# Altium PCB mainboard.PcbDoc (part 4 of 7)
Units mm, origin at the board's own origin, x right, y up, seen from the top; angles counter-clockwise.
Board outline 298.75 x 332.5 mm, 4 copper layers (Top, Ground, Power, Bottom), stack 0.844 mm thick; 349 components, 403 nets, 3466 pads, 640 vias.
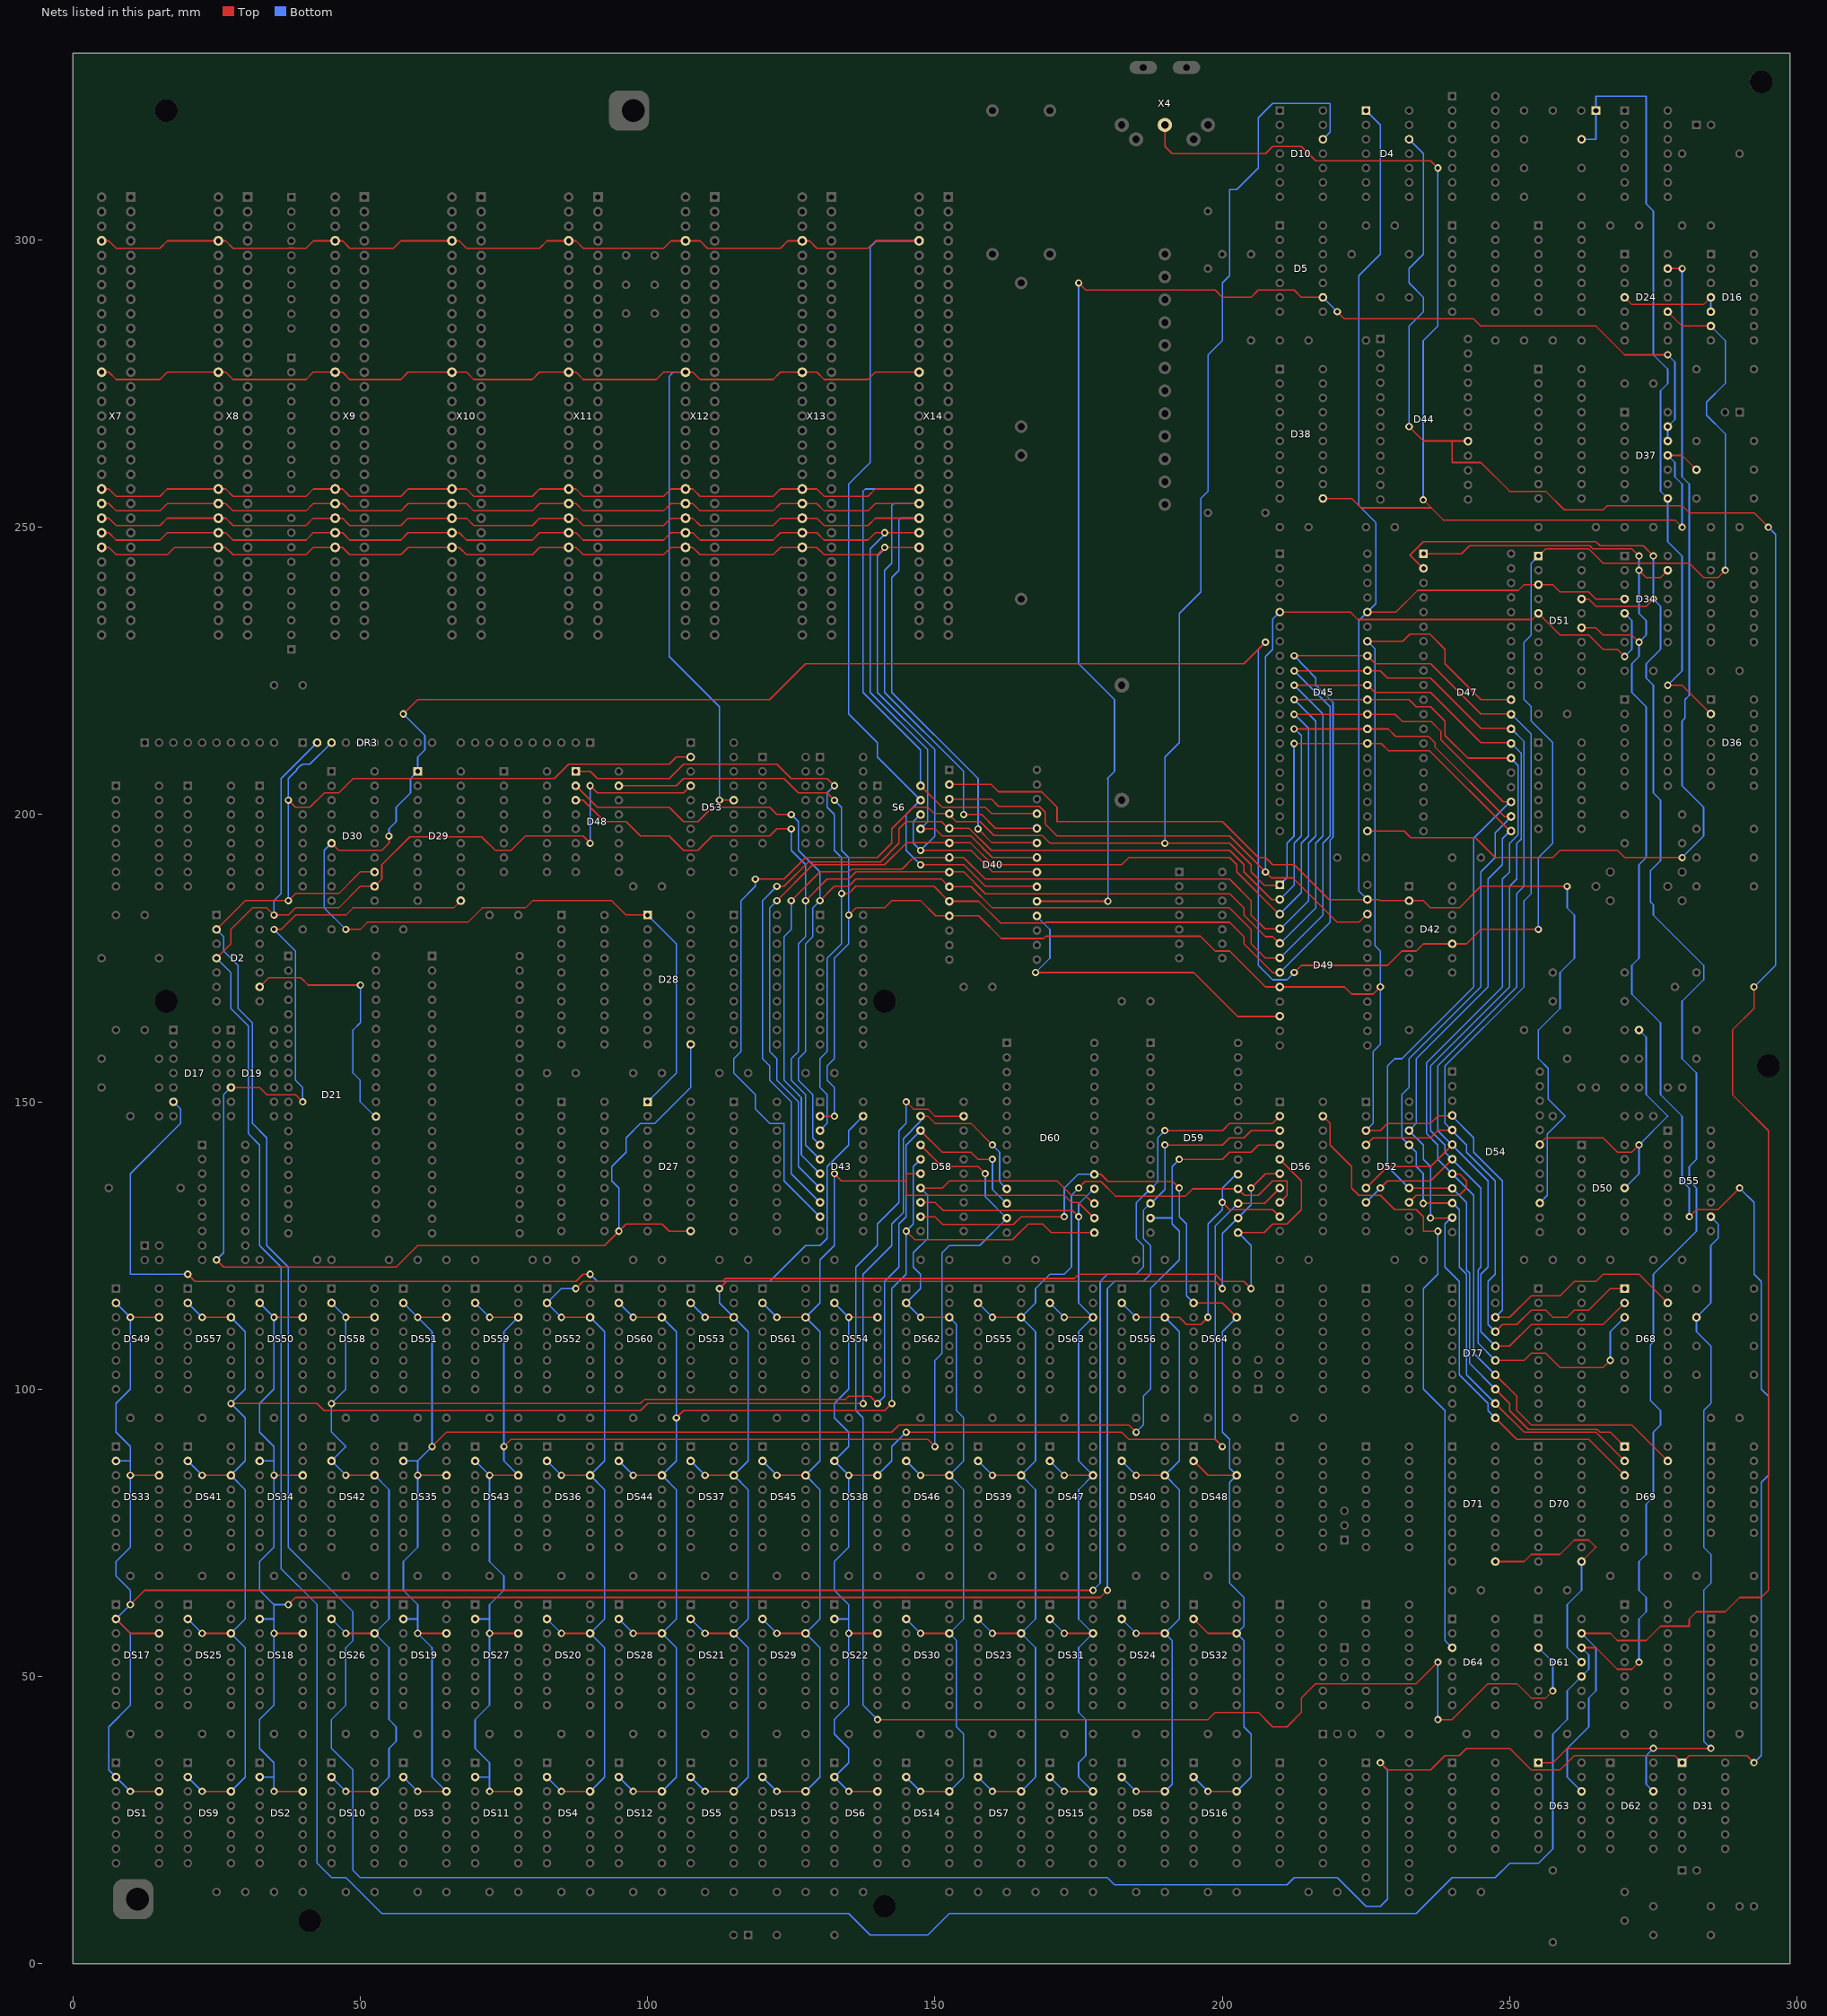
[diagram p6: the nets of this part, all layers, seen from the top]

## Via types
v1: diameter 1.27, hole 0.711, Top to Bottom, tented both sides, 640 vias

## Nets (pads, with @x,y where several pads share a name; then routed paths per layer and width w, separated by ;. In a path a pad name is that pad's centre, name@x,y a point inside that pad or via, vN(x,y) a via of type N, cw(c..) or ccw(c..) an arc to the next point about the centre after c; other vN are vias at no path point) (continued)
IORD/: D2.2 D30.13 D31.1 D34.13 D47.1 D51.15 D53.2 DR3.3 | length 886.3
  Top w0.254: D2.2@25,180 30,185 v1(37.498,185) v1(37.498,185) 38.75,186.25 46.25,186.25 50,190 D30.13@52.498,190 ; v1(37.498,202.5) 38.75,201.25 41.25,201.25 43.75,203.75 46.25,203.75 48.75,206.25 83.75,206.25 86.25,208.75 103.75,208.75 105,210 D53.2@107.498,210 ; v1(227.5,35) 228.75,33.75 236.25,33.75 238.75,36.25 241.25,36.25 242.5,37.5 250,37.5 253.75,33.75 258.75,33.75 261.25,36.25 278.75,36.25 278.75,36.248 D31.1@279.998,35 281.248,36.25 291.25,36.25 v1(292.5,35) ; D47.1@234.998,245 235.362,245.364 241.614,245.364 243.011,246.761 256.035,246.761 256.038,246.758 263.958,246.758 264.466,246.25 271.25,246.25 v1(272.5,245) ; D51.15@262.498,232.5 265,232.5 266.25,231.25 271.25,231.25 v1(272.5,230) ; v1(272.5,242.5) 273.75,241.25 276.25,241.25 277.498,242.498 D34.13@277.498,242.5 ; v1(281.25,130) 282.5,131.25 286.25,131.25 v1(290,135)
  Bottom w0.254: D2.2@24.998,180 25,180 26.25,178.75 26.25,176.25 28.75,173.75 28.75,166.25 31.25,163.75 31.25,146.25 33.75,143.75 33.75,125 37.5,121.25 37.5,72.5 48.75,61.25 48.75,56.25 47.5,55 47.5,45 45,42.5 45,37.5 48.75,33.75 48.75,16.25 50,15 180,15 181.25,13.75 211.25,13.75 212.5,15 220,15 225,10 227.5,10 228.75,11.25 228.75,33.75 v1(227.5,35) ; v1(37.498,185) v1(37.498,202.5) 37.498,206.25 38.982,207.734 38.982,207.921 39.577,208.516 39.764,208.516 39.998,208.75 41.248,208.75 DR3.3@44.998,212.5 ; v1(272.5,245) v1(272.5,242.5) 272.5,235 273.75,233.75 273.75,231.25 v1(272.5,230) 272.5,227.5 271.25,226.25 271.25,221.25 273.75,218.75 273.75,192.5 272.5,191.25 272.5,175 271.25,173.75 271.25,168.75 276.25,163.75 276.25,151.25 280,147.5 280,136.25 281.25,135 v1(281.25,130) ; v1(290,135) 292.5,132.5 292.5,120 293.75,118.75 293.75,100 295,98.75 295,85 293.75,83.75 293.75,36.25 v1(292.5,35)
IOW/: D53.16 X7.44 X8.44 X9.44 X10.44 X11.44 X12.44 X13.44 X14.44 | length 232.6
  Top w0.254: X7.44@4.998,276.97 6.261,276.97 7.535,275.695 15.155,275.695 16.425,276.965 26.585,276.965 27.855,275.695 40.555,275.695 41.825,276.965 46.905,276.965 48.175,275.695 57.065,275.695 58.335,276.965 68.495,276.965 69.765,275.695 79.925,275.695 81.195,276.965 87.545,276.965 88.815,275.695 101.515,275.695 102.785,276.965 107.865,276.965 109.135,275.695 121.835,275.695 123.105,276.965 129.455,276.965 130.725,275.695 138.345,275.695 139.615,276.965 X14.44@147.233,276.965 ; v1(112.498,202.5) D53.16@114.998,202.5
  Bottom w0.254: X12.44@106.598,276.97 104.468,276.97 103.748,276.25 103.748,227.502 112.5,218.75 112.5,213.752 112.498,213.75 v1(112.498,202.5)
IOWR/: D2.4 D30.12 D47.2 D51.17 D53.4 D61.10 D61.12 DR3.2 | length 854.7
  Top w0.254: D2.4@25,175 27.5,177.5 27.5,180 31.25,183.75 33.75,183.75 34.998,182.502 v1(34.998,182.5) 37.5,182.5 38.75,183.75 46.25,183.75 50,187.5 D30.12@52.498,187.5 52.5,187.5 53.75,188.75 53.75,191.25 58.631,196.131 71.131,196.131 73.512,193.75 76.25,193.75 78.75,196.25 88.75,196.25 89.998,195.002 v1(89.998,195) ; v1@90,205 91.25,203.75 106.25,203.75 D53.4@107.498,205 D53.4@107.498,205 ; D47.2@234.998,242.502 234.998,242.776 232.637,245.137 235,247.5 265,247.5 265.742,246.758 273.242,246.758 v1(275,245) ; D61.12@262.498,55 265,55 268.75,51.25 271.25,51.25 v1(272.5,52.5) ; D51.17@262.498,237.5 263.75,237.5 265,236.25 273.75,236.25 v1(275,237.5)
  Bottom w0.254: D2.4@24.998,175 27.5,172.498 27.5,166.25 30.506,163.244 30.506,144.494 32.5,142.5 32.5,125 36.25,121.25 36.25,68.75 42.5,62.5 42.5,17.5 45,15 47.5,15 53.75,8.75 135,8.75 138.75,5 148.75,5 152.5,8.75 233.75,8.75 240,15 247.5,15 250,17.5 255,17.5 257.5,20 257.5,40 260,42.5 260,47.502 D61.10@262.498,50 262.5,50 263.75,51.25 263.75,53.748 D61.12@262.498,55 ; v1(34.998,182.5) 34.998,185 36.248,186.25 36.248,206.25 DR3.2@42.498,212.5 ; v1(89.998,195) v1(89.998,205) ; v1(272.5,52.5) 272.5,60 273.75,61.25 273.75,63.75 272.5,65 272.5,70 273.75,71.25 273.75,80 275,81.25 275,92.5 276.25,93.75 276.25,96.27 274.49,98.03 274.49,107.71 275,108.22 275,120 282.5,127.5 282.5,135 281.25,136.25 281.25,138.75 282.5,140 282.5,155 280,157.5 280,167.5 283.75,171.25 283.75,173.75 275,182.5 275,184.28 274.49,184.79 274.49,190.21 276.25,191.97 276.25,202.5 275,203.75 275,222.5 273.75,223.75 273.75,226.25 276.25,228.75 276.25,236.25 v1(275,237.5) v1(275,245)
IREN/: D24.13 D45.21 | length 167.2
  Top w0.254: D45.21@224.998,197.5 225.394,197.104 231.644,197.104 232.787,195.961 244.037,195.961 247.498,192.5 257.498,192.5 258.748,193.75 268.748,193.75 269.998,192.5 v1(279.998,192.5) ; D24.13@277.498,295 v1(279.998,295)
  Bottom w0.254: v1(279.998,192.5) 283.748,196.25 283.748,201.25 279.998,205 279.998,216.274 280.506,216.782 280.506,220 281.248,220.742 281.248,257.5 279.998,258.75 v1(279.998,295)
IRQ: D50.11 D54.19 R34.1 | length 52.2
  Top w0.254: D54.19@254.998,142.5 256.248,143.75 266.25,143.75 268.75,141.25 271.248,141.25 v1(272.498,142.5)
  Bottom w0.254: D50.11@269.998,135 272.498,137.5 v1(272.498,142.5) 277.498,147.5 273.748,151.25 273.748,161.25 R34.1@272.498,162.5
IRQ0: D40.18 D49.10 | length 57.8
  Top w0.254: v1(167.498,172.5) 194.998,172.5 202.652,164.846 209.844,164.846 D49.10@209.998,165
  Bottom w0.254: v1(167.498,172.5) 169.998,175 169.998,180 D40.18@167.498,182.5
IRQ1: D5.9 D37.12 D37.13 D40.19 | length 248.2
  Top w0.254: D40.19@167.498,185 167.713,184.785 167.84,184.912 v1(180.086,184.912) ; v1(174.998,292.5) 176.248,291.25 198.748,291.25 199.998,290 204.998,290 206.248,291.25 212.498,291.25 213.748,290 D5.9@217.498,290 ; v1(219.998,287.5) 221.248,286.25 243.748,286.25 244.998,285 264.998,285 269.998,280 v1(277.498,280)
  Bottom w0.254: v1(174.998,292.5) 174.998,226.25 181.248,220 181.248,207.5 179.998,206.25 180.086,206.162 v1(180.086,184.912) ; D5.9@217.498,290 v1(219.998,287.5) ; D37.12@277.498,265 D37.13@277.498,267.5 278.748,268.75 278.748,278.75 v1(277.498,280)
IRQ2: D40.20 S6.4 X7.35 X8.35 X9.35 X10.35 X11.35 X12.35 X13.35 X14.35 | length 296.3
  Top w0.254: X7.35@4.998,299.83 6.261,299.83 7.535,298.555 15.155,298.555 16.43,299.83 X8.35@25.318,299.83 25.323,299.825 26.585,299.825 27.855,298.555 37.534,298.555 37.553,298.575 38.49,298.575 38.509,298.555 40.555,298.555 41.83,299.83 X9.35@45.638,299.83 45.643,299.825 46.905,299.825 48.175,298.555 55.795,298.555 57.07,299.83 X10.35@65.958,299.83 67.221,299.83 68.495,298.555 81.195,298.555 82.47,299.83 X11.35@86.278,299.83 86.283,299.825 87.545,299.825 88.815,298.555 102.785,298.555 104.055,299.825 109.135,299.825 110.405,298.555 123.105,298.555 124.38,299.83 X13.35@126.918,299.83 128.181,299.83 129.455,298.555 138.345,298.555 139.62,299.83 X14.35@147.238,299.83 ; v1(147.498,191.25) 154.998,191.25 158.748,187.5 D40.20@167.498,187.5
  Bottom w0.254: X14.35@147.068,300 146.893,299.825 139.823,299.825 138.748,298.75 138.748,261.25 134.998,257.5 134.998,217.5 139.998,212.5 139.998,210 S6.4@147.498,202.5 144.998,200 144.998,193.75 v1(147.498,191.25)
IRQ3: D40.21 S6.6 X7.56 X8.56 X9.56 X10.56 X11.56 X12.56 X13.56 X14.56 | length 236.6
  Top w0.254: X7.56@4.998,246.49 6.261,246.49 7.535,245.215 16.425,245.215 17.695,246.485 26.585,246.485 27.855,245.215 40.555,245.215 41.825,246.485 46.905,246.485 48.175,245.215 57.065,245.215 58.335,246.485 67.225,246.485 68.495,245.215 79.925,245.215 81.195,246.485 87.545,246.485 88.815,245.215 102.785,245.215 104.055,246.485 107.865,246.485 109.135,245.215 121.835,245.215 123.105,246.485 129.455,246.485 130.725,245.215 139.985,245.215 v1(141.248,246.479) 141.259,246.49 X14.56@147.238,246.49 ; v1(147.498,193.75) 156.248,193.75 159.998,190 D40.21@167.498,190
  Bottom w0.254: v1@141.248,246.25 139.998,245 139.998,221.25 149.998,211.25 149.998,196.25 v1(147.498,193.75) 146.248,195 146.248,198.75 S6.6@147.498,200
IRQ4: D40.22 S6.8 X7.55 X8.55 X9.55 X10.55 X11.55 X12.55 X13.55 X14.55 | length 228.6
  Top w0.254: X7.55@4.998,249.03 5.003,249.025 6.265,249.025 7.535,247.755 15.155,247.755 16.425,249.025 26.585,249.025 27.855,247.755 40.555,247.755 41.825,249.025 46.905,249.025 48.175,247.755 57.065,247.755 58.335,249.025 67.225,249.025 68.495,247.755 79.925,247.755 81.195,249.025 87.545,249.025 88.815,247.755 102.785,247.755 104.055,249.025 107.865,249.025 109.135,247.755 121.835,247.755 123.105,249.025 129.455,249.025 130.725,247.755 138.345,247.755 139.615,249.025 X14.55@147.233,249.025 ; S6.8@147.498,197.5 149.998,197.5 151.248,196.25 156.248,196.25 159.966,192.532 167.466,192.532 D40.22@167.498,192.5
  Bottom w0.254: v1@141.248,248.75 138.748,246.25 138.748,221.25 148.748,211.25 148.748,198.75 S6.8@147.498,197.5
  other v1: 141.248,249.029
IRQ5: D40.23 X7.54 X8.54 X9.54 X10.54 X11.54 X12.54 X13.54 X14.54 | length 224.8
  Top w0.254: X7.54@4.998,251.57 6.261,251.57 7.535,250.295 15.155,250.295 16.43,251.57 X8.54@25.318,251.57 26.581,251.57 27.855,250.295 40.555,250.295 41.825,251.565 46.905,251.565 48.175,250.295 57.065,250.295 58.335,251.565 68.495,251.565 69.765,250.295 79.925,250.295 81.195,251.565 87.545,251.565 88.815,250.295 102.785,250.295 104.055,251.565 107.865,251.565 109.135,250.295 121.835,250.295 123.105,251.565 129.455,251.565 130.725,250.295 138.345,250.295 139.62,251.57 X14.54@147.238,251.57 ; v1(157.498,197.5) 159.926,195.072 167.426,195.072 D40.23@167.498,195
  Bottom w0.254: X14.54@147.238,251.57 144.068,251.57 143.748,251.25 143.748,242.5 142.498,241.25 142.498,221.25 157.498,206.25 v1(157.498,197.5)
IRQ6: D40.24 X7.53 X8.53 X9.53 X10.53 X11.53 X12.53 X13.53 X14.53 | length 228
  Top w0.254: X7.53@4.998,254.11 6.261,254.11 7.535,252.835 15.155,252.835 16.425,254.105 26.585,254.105 27.855,252.835 40.555,252.835 41.825,254.105 46.905,254.105 48.175,252.835 57.065,252.835 58.335,254.105 68.495,254.105 69.765,252.835 79.925,252.835 81.195,254.105 87.545,254.105 88.815,252.835 102.785,252.835 104.055,254.105 107.865,254.105 109.135,252.835 121.835,252.835 123.105,254.105 129.455,254.105 130.725,252.835 138.345,252.835 139.62,254.11 X14.53@147.238,254.11 ; v1(154.998,200) 158.14,200 160.528,197.612 167.386,197.612 D40.24@167.498,197.5
  Bottom w0.254: X14.53@147.238,254.11 142.858,254.11 142.498,253.75 142.498,243.75 141.248,242.5 141.248,221.25 154.998,207.5 v1(154.998,200)
IRQ7: D40.25 S6.2 X7.52 X8.52 X9.52 X10.52 X11.52 X12.52 X13.52 X14.52 | length 237
  Top w0.254: X7.52@4.998,256.65 6.261,256.65 7.535,255.375 15.155,255.375 16.425,256.645 26.585,256.645 27.855,255.375 40.555,255.375 41.825,256.645 46.905,256.645 48.175,255.375 57.065,255.375 58.335,256.645 68.495,256.645 69.765,255.375 79.925,255.375 81.195,256.645 87.545,256.645 88.815,255.375 102.785,255.375 104.055,256.645 107.865,256.645 109.135,255.375 121.835,255.375 123.105,256.645 129.455,256.645 130.725,255.375 138.345,255.375 139.62,256.65 X14.52@147.238,256.65 ; S6.2@147.498,205 151.248,201.25 158.748,201.25 159.846,200.152 167.346,200.152 D40.25@167.498,200
  Bottom w0.254: X14.52@147.238,256.65 137.898,256.65 137.498,256.25 137.498,221.25 147.498,211.25 S6.2@147.498,205
KBCLK: D36.2 D37.8 R15.2 X3(KEYBLOCK).1 | length 135.5
  Top w0.254: v1(277.498,222.5) 279.998,222.5 D36.2@284.998,217.5
  Bottom w0.254: R15.2@262.498,317.5 264.998,317.5 264.998,322.5 264.998,325 273.748,325 273.748,306.25 274.998,305 274.998,280 277.498,277.5 277.498,275 276.248,273.75 276.248,256.25 D37.8@277.498,255 277.498,247.5 279.998,245 279.998,225 v1(277.498,222.5)
KBDATA: D37.11 D38.11 R12.2 X4.2 | length 198.8
  Top w0.254: X4.2@189.998,320 189.998,316.252 191.25,315 207.5,315 208.75,316.25 213.75,316.25 216.25,313.75 236.25,313.75 v1(237.5,312.5) ; D38.11@217.498,255 222.498,255 224.133,253.365 236.347,253.365 ; v1(234.95,254.762) 238.462,251.25 278.748,251.25 v1(279.998,250) ; D37.11@277.498,262.5 279.998,262.5 R12.2@282.498,260
  Bottom w0.254: v1(234.95,254.762) 234.95,282.45 237.5,285 v1(237.5,312.5) ; D37.11@277.498,262.5 278.748,261.25 278.748,258.75 279.998,257.5 v1(279.998,250)
LAEN: D16.4 D16.5 D24.4 | length 18.5
  Top w0.254: D24.4@269.998,290 271.248,288.75 283.748,288.75 D16.4@284.998,290
  Bottom w0.254: D16.5@284.998,287.5 D16.4@284.998,290
LAEN/: D16.6 D24.10 D27.1 D28.1 D29.1 D30.6 D42.10 D51.1 | length 571.9
  Top w0.254: D30.6@44.998,195 46.248,193.75 53.748,193.75 54.998,195 v1(54.998,196.25) ; v1(47.498,180) 49.998,180 51.248,181.25 68.748,181.25 71.248,183.75 78.748,183.75 79.998,185 93.748,185 96.248,182.5 D28.1@99.998,182.5 ; v1(57.498,217.5) 59.998,220 121.25,220 127.5,226.25 203.748,226.25 v1(207.498,230) ; v1(212.498,172.5) 213.748,173.75 228.748,173.75 231.248,176.25 233.748,176.25 234.998,177.5 D42.10@239.998,177.5 242.498,177.5 244.998,180 v1(254.998,180) ; D51.1@254.998,245 256.248,246.25 263.748,246.25 266.248,243.75 281.248,243.75 283.748,241.25 286.248,241.25 v1(287.498,242.5) ; D24.10@277.498,287.5 279.998,285 D16.6@284.998,285
  Bottom w0.254: D30.6@44.998,195 43.748,193.75 43.748,183.75 v1(47.498,180) ; v1(54.998,196.25) 54.998,197.498 56.25,198.75 56.25,200 ; v1(57.498,217.5) 61.248,213.75 61.248,211.25 59.998,210 D29.1@59.998,207.5 58.748,206.25 58.748,203.75 56.249,201.251 56.249,200.001 ; D27.1@99.998,150 104.998,155 104.998,177.5 D28.1@99.998,182.5 ; v1(207.498,230) 206.248,228.75 206.248,173.75 208.748,171.25 211.248,171.25 v1(212.498,172.5) ; v1(254.998,180) 254.998,192.5 257.498,195 257.498,212.5 253.748,216.25 253.748,218.75 252.498,220 252.498,230 253.748,231.25 253.748,243.75 D51.1@254.998,245 ; D16.6@284.998,285 287.498,282.5 287.498,275 284.256,271.758 284.256,269.492 287.498,266.25 v1(287.498,242.5) ; 56.249,200.001 56.25,200
LALE: D19.5 D27.11 D28.11 D29.11 | length 238
  Top w0.254: v1(24.998,122.5) 26.248,121.25 56.248,121.25 59.998,125 92.498,125 96.248,128.75 102.498,128.75 103.748,127.5 D27.11@107.498,127.5 ; D19.5@27.498,152.5 32.5,152.5 33.75,151.25 38.75,151.25 v1(40,150) ; v1(35,180) 36.25,180 38.75,182.5 47.5,182.5 48.75,183.75 66.25,183.75 67.498,184.998 D29.11@67.498,185
  Bottom w0.254: v1(24.998,122.5) 26.248,123.75 26.248,151.25 D19.5@27.498,152.5 ; v1(35,180) 38.75,176.25 38.75,153.75 40,152.5 v1(40,150) ; v1(94.998,127.5) 94.998,135 93.748,136.25 93.748,138.75 96.248,141.25 96.248,143.75 98.748,146.25 101.248,146.25 107.498,152.5 D28.11@107.498,160
LDAT0: D40.11 D43.2 D45.34 D47.30 D48.15 D49.8 D52.3 D54.4 D68.15 D77.18 | length 410.8
  Top w0.254: D48.15@94.998,205 105,205 106.25,206.25 123.75,206.25 126.25,203.75 131.25,203.75 v1(132.5,202.5) ; D43.2@129.998,147.5 v1(132.5,147.5) ; v1(135,182.5) 136.25,183.75 141.25,183.75 142.5,185 147.5,185 150.128,182.372 157.626,182.372 161.563,178.435 168.91,178.435 169.291,178.816 196.182,178.816 198.748,176.25 201.248,176.25 207.498,170 221.25,170 222.5,168.75 226.248,168.75 v1(227.498,170) ; D52.3@224.998,145 227.5,145 228.75,146.25 236.25,146.25 237.574,147.574 239.924,147.574 D54.4@239.998,147.5 ; D45.34@224.998,230 225.122,230.124 231.374,230.124 232.644,231.394 236.106,231.394 238.75,228.75 238.75,226.25 245,220 D47.30@249.998,220 ; D77.18@247.498,112.5 249.998,112.5 253.748,116.25 258.748,116.25 261.248,118.75 264.998,118.75 266.248,120 272.498,120 D68.15@277.498,115
  Bottom w0.254: v1(132.5,147.5) 132.5,152.5 131.25,153.75 131.25,156.25 132.5,157.5 132.5,175 135,177.5 v1(135,182.5) 135,192.5 133.75,193.75 133.75,201.25 v1(132.5,202.5) ; D52.3@224.998,145 226.248,146.25 226.248,158.75 227.498,160 v1(227.498,170) 227.498,176.25 226.568,177.18 226.568,228.854 225.422,230 D45.34@224.998,230 ; D54.4@239.998,147.5 243.748,143.75 243.748,141.25 248.748,136.25 248.748,113.75 D77.18@247.498,112.5
LDAT1: D40.10 D43.3 D45.33 D47.29 D48.1 D49.7 D52.4 D54.5 D68.1 D77.17 | length 462.2
  Top w0.254: D48.1@87.498,207.5 90,207.5 91.25,206.25 103.75,206.25 106.25,208.75 122.5,208.75 125,206.25 131.25,206.25 132.498,205.002 v1(132.498,205) ; v1(133.748,186.25) 135,186.25 136.25,187.5 149.812,187.5 152.4,184.912 157.588,184.912 161.398,181.102 169.164,181.102 169.291,181.229 201.269,181.229 203.748,178.75 203.748,177.5 208.782,172.466 209.964,172.466 D49.7@209.998,172.5 ; v1(212.498,227.627) D45.33@224.998,227.627 ; D52.4@224.998,142.5 226.248,143.75 236.248,143.75 237.532,145.034 239.964,145.034 D54.5@239.998,145 ; D45.33@224.998,227.5 225.382,227.5 226.632,226.25 236.25,226.25 245,217.5 D47.29@249.998,217.5 ; D77.17@247.498,110 248.748,111.25 251.248,111.25 253.748,113.75 256.248,113.75 257.498,112.5 259.998,112.5 261.248,113.75 263.748,113.75 267.498,117.5 D68.1@269.998,117.5
  Bottom w0.254: D43.3@129.998,145 131.248,146.25 131.248,151.25 129.998,152.5 129.998,157.5 131.248,158.75 131.248,175 133.748,177.5 v1(133.748,186.25) 133.748,192.5 132.498,193.75 132.498,200 131.248,201.25 131.248,203.75 v1(132.498,205) ; D49.7@209.998,172.5 218.748,181.25 218.748,195.532 219.256,196.04 219.256,219.492 216.248,222.5 216.248,223.75 v1(212.498,227.627) ; D77.17@247.498,110 246.248,111.25 246.248,118.75 247.498,120 247.498,136.25 242.498,141.25 242.498,142.5 239.998,145 238.748,146.25 238.748,156.25 252.498,170 252.498,185 253.748,186.25 253.748,213.993 250.241,217.5 D47.29@249.998,217.5
LDAT2: D40.9 D43.4 D45.32 D47.28 D48.2 D49.6 D52.7 D54.6 D68.2 D77.16 | length 454.6
  Top w0.254: D48.2@87.498,205 D48.2@87.498,205 91.25,201.25 103.75,201.25 106.25,198.75 108.75,198.75 111.25,201.25 121.25,201.25 122.5,200 v1(124.998,200) ; v1(129.998,185) 132.498,187.5 135,187.5 136.25,188.75 151.102,188.75 152.4,187.452 156.298,187.452 160,183.75 201.248,183.75 204.998,180 204.998,177.5 207.492,175.006 209.992,175.006 D49.6@209.998,175 ; v1(212.498,225) 224.998,225 227.5,225 228.75,223.75 236.25,223.75 245,215 D47.28@249.998,215 ; D52.7@224.998,135 228.748,138.75 236.248,138.75 D54.6@239.998,142.5 ; D77.16@247.498,107.5 249.998,107.5 253.748,111.25 266.248,111.25 D68.2@269.998,115